# Altium PCB EEGV4.0.PcbDoc (part 1 of 2) (continued)
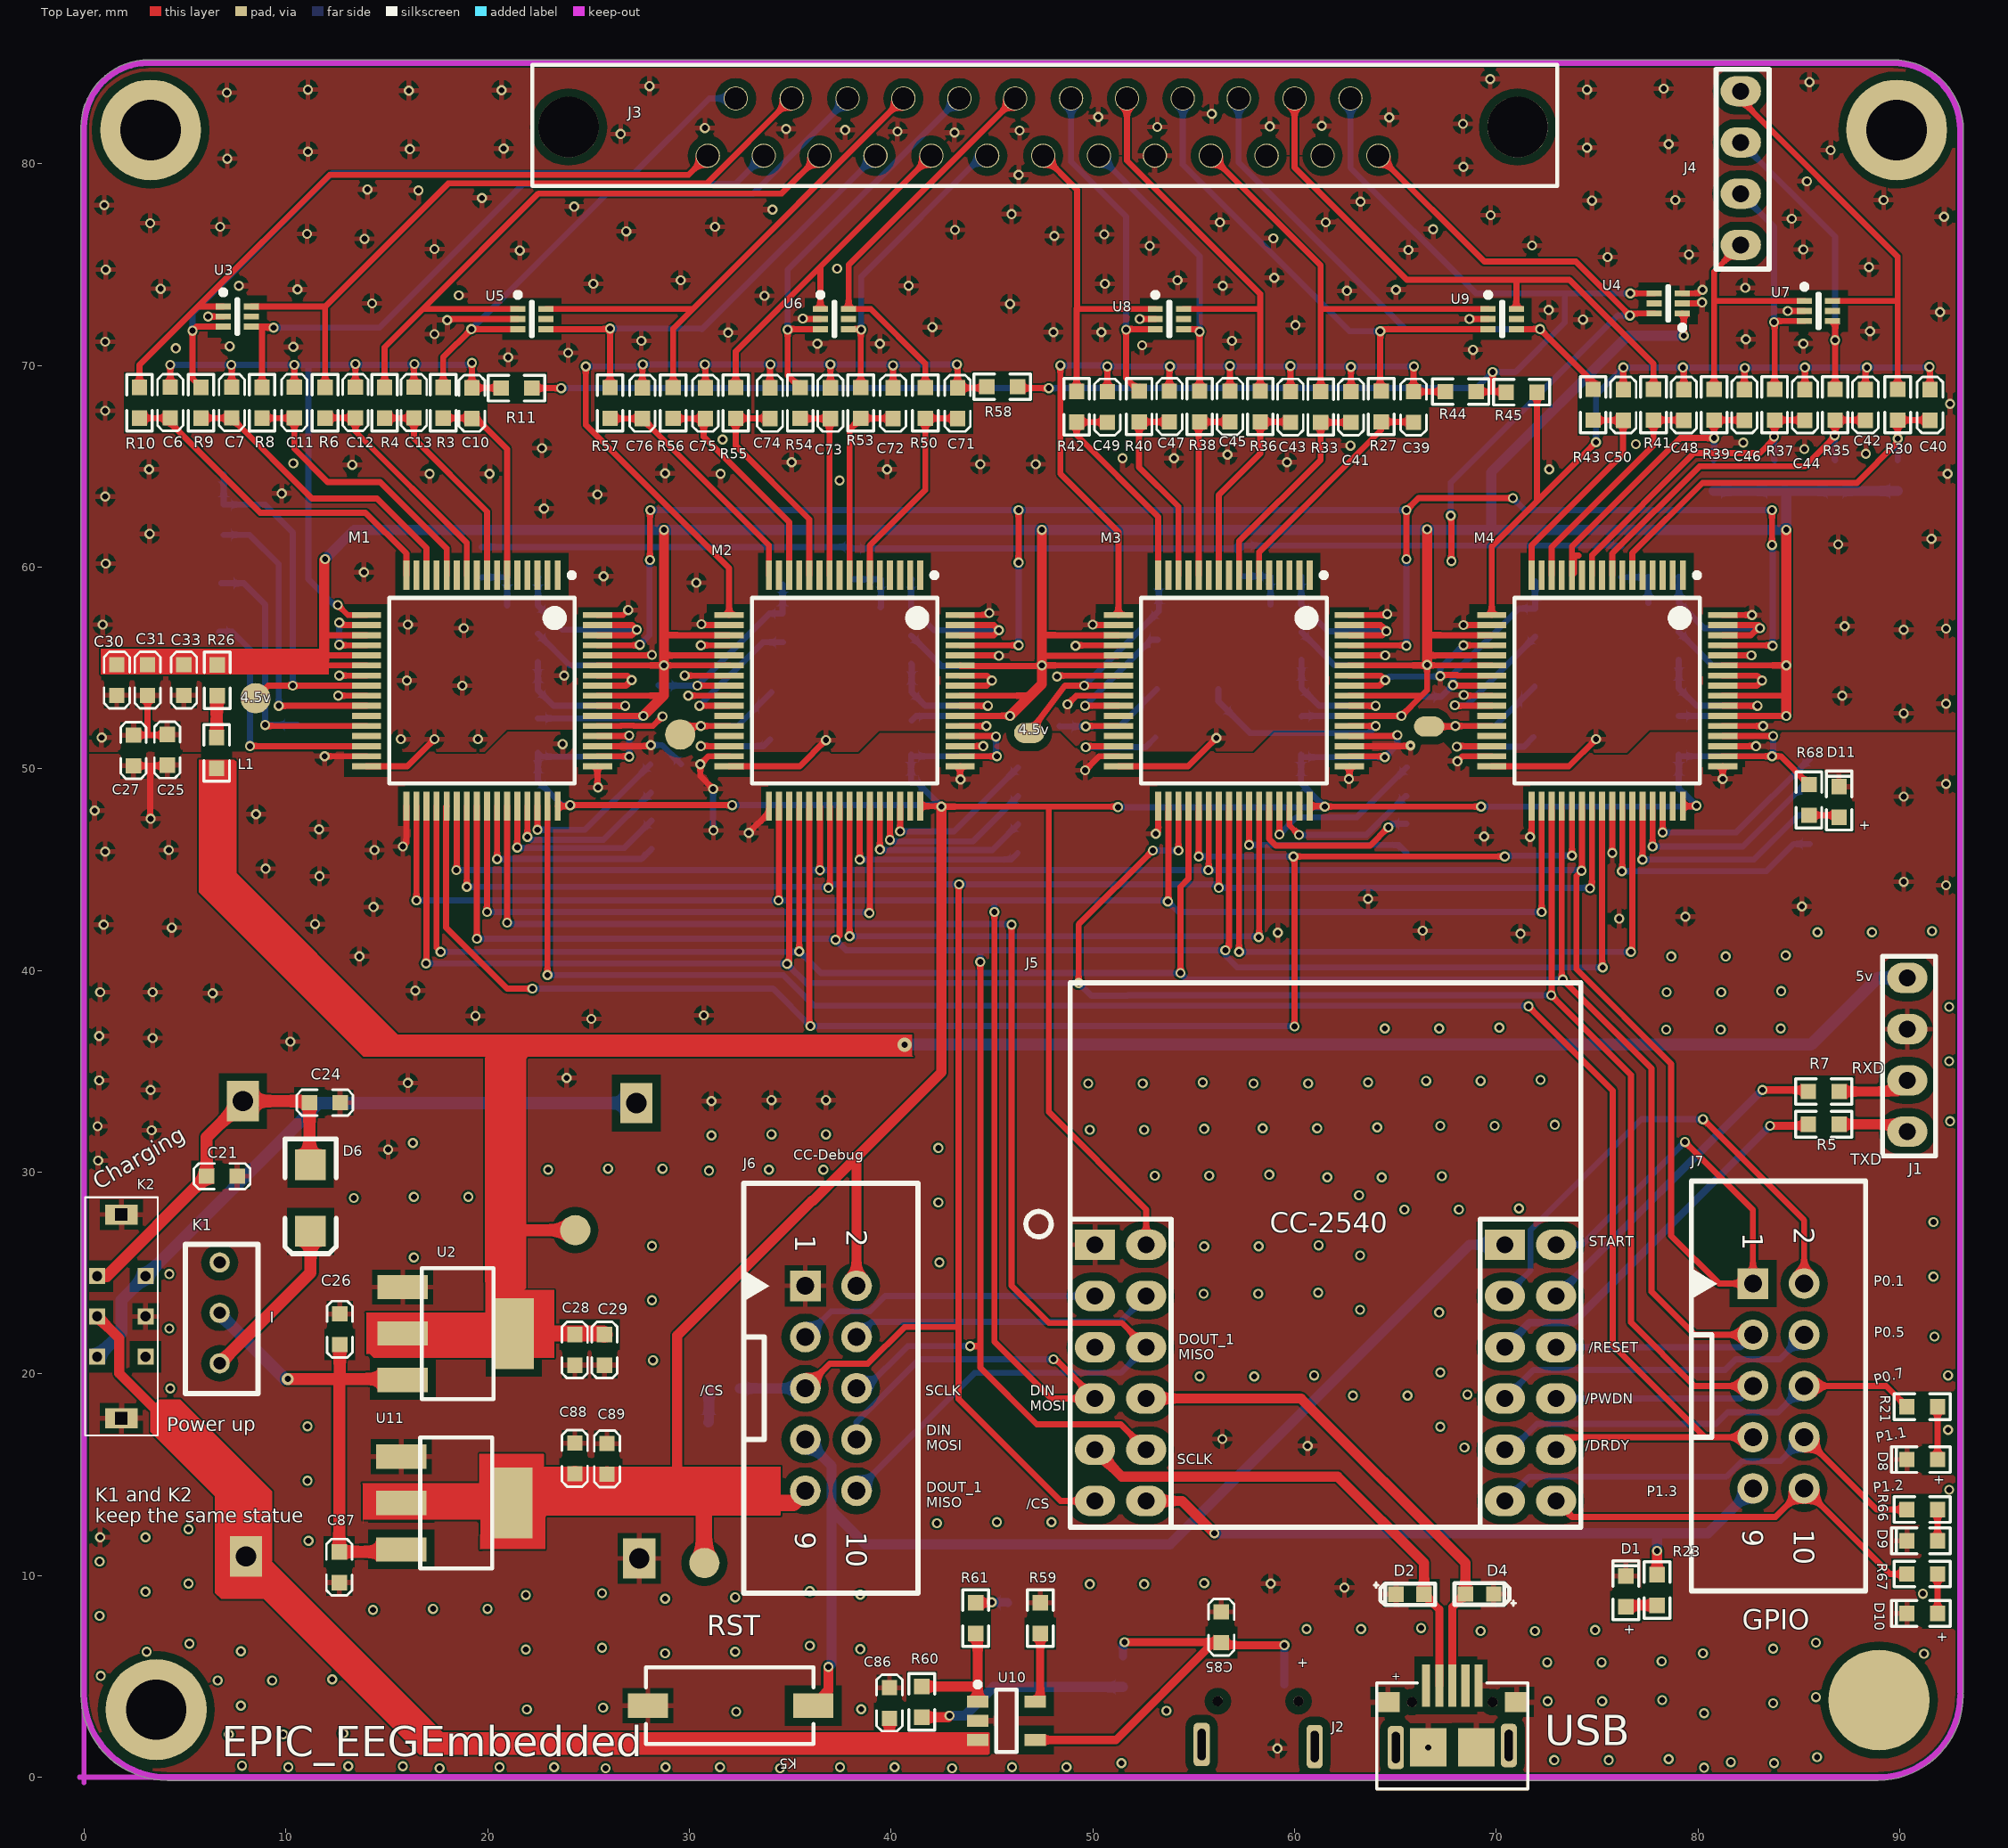
[diagram p0: Top Layer view]
## Components (designator, comment, footprint, x,y, rotation, side; value= is the part's Value field where it differs from the comment) (continued)
R17 "10KF" R0603 28.1,48.825 r0 bottom
R18 "10KF" R0603 28.125,47.425 r0 bottom
R19 "10KF" R0603 28.125,46.025 r0 bottom
R20 "10KF" R0603 65.551,48.65 r0 bottom
R21 "3KF" R0603 90.351,18.375 r0 top
R22 "3KF" R0603 32.5,19.275 r180 bottom
R23 "3KF" R0603 77.975,10.049 r270 top
R24 "10KF" R0603 85.551,50.5 r0 bottom
R25 "10KF" R0603 65.576,50.075 r0 bottom
R26 "1RJ" R0603 6.604,55.15 r270 top
R27 "2.2KF" R0603 64.3,68.724 r270 top
R28 "10KF" R0603 85.551,49.1 r0 bottom
R29 "10KF" R0603 65.55,47.275 r0 bottom
R30 "2.2KF" R0603 89.9,68.813 r270 top
R31 "10KF" R0603 85.551,47.7 r0 bottom
R32 "10KF" R0603 65.55,45.85 r0 bottom
R33 "2.2KF" R0603 61.3,68.7 r270 top
R34 "10KF" R0603 85.551,46.275 r0 bottom
R35 "2.2KF" R0603 86.8,68.813 r270 top
R36 "2.2KF" R0603 58.3,68.724 r270 top
R37 "2.2KF" R0603 83.8,68.813 r270 top
R38 "2.2KF" R0603 55.3,68.724 r270 top
R39 "2.2KF" R0603 80.8,68.813 r270 top
R40 "2.2KF" R0603 52.3,68.724 r270 top
R41 "2.2KF" R0603 77.8,68.813 r270 top
R42 "2.2KF" R0603 49.2,68.713 r270 top
R43 "2.2KF" R0603 74.8,68.813 r270 top
R44 "2.2KF" R0603 69,68.7 r180 top
R45 "2.2KF" R0603 70.5,68.675 r0 top
R46 "1MF" R0603 39.5,59.4 r0 bottom
R47 "2.2KF" R0603 38.1,60.924 r270 bottom
R48 "10KF" R0603 46.3,50.075 r0 bottom
R49 "10KF" R0603 46.3,48.65 r0 bottom
R50 "2.2KF" R0603 41.7,68.9 r270 top
R51 "10KF" R0603 46.3,47.25 r0 bottom
R52 "10KF" R0603 46.275,45.825 r0 bottom
R53 "2.2KF" R0603 38.5,68.9 r270 top
R54 "2.2KF" R0603 35.5,68.9 r270 top
R55 "2.2KF" R0603 32.3,68.9 r270 top
R56 "2.2KF" R0603 29.2,68.9 r270 top
R57 "2.2KF" R0603 26.075,68.9 r270 top
R58 "2.2KF" R0603 46.275,68.95 r180 top
R59 "R0603-15KF" R0603 47.4,8.649 r270 top
R60 "470RF" R0603 41.525,2.975 r90 top
R61 "470RF" R0603 44.2,8.649 r270 top
R62 "0R" R0603 80.775,65.3 r270 bottom
R63 "0R" R0603 83.8,65.3 r270 bottom
R64 "0R" R0603 86.8,65.3 r270 bottom
R65 "0R" R0603 89.9,65.3 r270 bottom
R66 "3KF" R0603 90.351,13.275 r0 top
R67 "3KF" R0603 90.351,10.075 r0 top
R68 "3KF" R0603 85.5,49.224 r270 top
U2 "AMS1117_5V" SOT-223 15.8,22 r270 top
U3 "TPD4E1B06" U-ESD-DRL-SOTFL50P160X60-6N 7.6,72.425 r0 top
U4 "TPD4E1B06" U-ESD-DRL-SOTFL50P160X60-6N 78.525,73.075 r180 top
U5 "TPD4E1B06" U-ESD-DRL-SOTFL50P160X60-6N 22.2,72.3 r0 top
U6 "TPD4E1B06" U-ESD-DRL-SOTFL50P160X60-6N 37.2,72.3 r0 top
U7 "TPD4E1B06" U-ESD-DRL-SOTFL50P160X60-6N 85.975,72.7 r0 top
U8 "TPD4E1B06" U-ESD-DRL-SOTFL50P160X60-6N 53.8,72.3 r0 top
U9 "TPD4E1B06" U-ESD-DRL-SOTFL50P160X60-6N 70.3,72.3 r0 top
U10 "MCP73831" SOT23-5N 45.725,2.8 r0 top
U11 "AMS1117_3.3V" SOT-223 15.725,13.6 r270 top

## Footprints (in the part's own frame and the unit in brackets; to place one, negate y for a bottom-side part, rotate by r counter-clockwise, add the part's x,y. Pads: shape width x height; smd on the part's side, far side on the other; paste and mask are expansions set on the pad)
ADS1299-TSQFP50P1200X1200X105-64N [mm] "TSQFP, 64-Leads, Body 10.00x10.00mm, Pitch 0.50mm, IPC Medium Density"
  rect 1.45x0.3 smd: 1(-5.725,3.75) 2(-5.725,3.25) 3(-5.725,2.75) 4(-5.725,2.25) 5(-5.725,1.75) 6(-5.725,1.25) 7(-5.725,0.75) 8(-5.725,0.25) 9(-5.725,-0.25) 10(-5.725,-0.75) 11(-5.725,-1.25) 12(-5.725,-1.75) 13(-5.725,-2.25) 14(-5.725,-2.75) 15(-5.725,-3.25) 16(-5.725,-3.75) 33(5.725,-3.75) 34(5.725,-3.25) 35(5.725,-2.75) 36(5.725,-2.25) 37(5.725,-1.75) 38(5.725,-1.25) 39(5.725,-0.75) 40(5.725,-0.25) 41(5.725,0.25) 42(5.725,0.75) 43(5.725,1.25) 44(5.725,1.75) 45(5.725,2.25) 46(5.725,2.75) 47(5.725,3.25) 48(5.725,3.75)
  rect 0.3x1.45 smd: 17(-3.75,-5.725) 18(-3.25,-5.725) 19(-2.75,-5.725) 20(-2.25,-5.725) 21(-1.75,-5.725) 22(-1.25,-5.725) 23(-0.75,-5.725) 24(-0.25,-5.725) 25(0.25,-5.725) 26(0.75,-5.725) 27(1.25,-5.725) 28(1.75,-5.725) 29(2.25,-5.725) 30(2.75,-5.725) 31(3.25,-5.725) 32(3.75,-5.725) 49(3.75,5.725) 50(3.25,5.725) 51(2.75,5.725) 52(2.25,5.725) 53(1.75,5.725) 54(1.25,5.725) 55(0.75,5.725) 56(0.25,5.725) 57(-0.25,5.725) 58(-0.75,5.725) 59(-1.25,5.725) 60(-1.75,5.725) 61(-2.25,5.725) 62(-2.75,5.725) 63(-3.25,5.725) 64(-3.75,5.725)
  silkscreen extent -5.85,-4.6 4.6,4.6, body extent -5,-5 5,5, height 1.05
C0603 [mil]
  rect 30x30 smd: 1(0,0) 2(60,0)
  silkscreen extent -25,-25 85,25, body extent -1,-15 61,16, height 12
C1210 [mil]
  rect 50x100 smd: 1(0,0) 2(120,0)
  silkscreen extent -35,-60 155,60, body extent -3,-48 123,50, height 98
C-DSUB-25 [mm] "C-DSUB-25"
  round 3 hole 3: 0(0,0) 0(47.04,0)
  round 1.2 hole 1.1: 1(6.9,-1.42) 2(9.67,-1.42) 3(12.44,-1.42) 4(15.21,-1.42) 5(17.98,-1.42) 6(20.75,-1.42) 7(23.52,-1.42) 8(26.29,-1.42) 9(29.06,-1.42) 10(31.83,-1.42) 11(34.6,-1.42) 12(37.37,-1.42) 13(40.14,-1.42) 14(8.285,1.42) 15(11.055,1.42) 16(13.825,1.42) 17(16.595,1.42) 18(19.365,1.42) 19(22.135,1.42) 20(24.905,1.42) 21(27.675,1.42) 22(30.445,1.42) 23(33.215,1.42) 24(35.985,1.42) 25(38.755,1.42)
  silkscreen extent -1.8,-2.92 49,3.08
D2.54-1*4P [mm] "Bluetooth"
  oval 1.5x2 hole 0.838: 1(0,0) 2(2.54,0) 3(5.08,0) 4(7.62,0)
  silkscreen extent -1.2,-1.4 8.7,1.23, body extent -1.1,-1.4 8.7,1.23, height 10
D1206 [mil]
  rect 60x60 smd: 1(0,0) 2(130,0)
  silkscreen extent -50,-50 174,50, body extent -22,-40 151,40, height 47
D-LED0603G [mil]
  rect 30x30 smd: 1(0,0) 2(60,0)
  silkscreen extent -25,-25 90,25, body extent -2,-16 62,15, height 24
DC3-2.54-2X5P [mil] "DC3-2.54-2x5P直脚"
  rect 60x60 hole 35: 1(0,0)
  round 60 hole 35: 2(0,100) 3(100,0) 4(100,100) 5(200,0) 6(200,100) 7(300,0) 8(300,100) 9(400,0) 10(400,100)
  silkscreen extent -200,-120 600,220
HS_0603D [mil]
  rect 30x30 smd: 1(-27.5,0) 2(27.5,0)
  silkscreen extent -70,-21 49,23
L0603 [mil]
  rect 30x30 smd: 1(0,0) 2(60,0)
  silkscreen extent -25,-25 85,25, body extent -1,-15 61,17, height 24
LIR2032 [mm] "LIR2032 -- 2 Pin"
  rect 2x1.6 hole 1: 1(0,0) 2(-0.1,19.5)
  silkscreen extent -11,-1.3 11,22.1
"MICRO-USB - 5.9" [mm]
  rrect50% 0.8x2.15 hole 0.4 slot 1.55 at 90 deg: 0(-1.5,-3.075) 0(4.1,-2.975)
  rect 0.4x2.1 smd: 1(0,0) 2(0.65,0) 3(1.3,0) 4(1.95,0) 5(2.6,0)
  rect 1.2x1 smd: 6(-1.9,-0.825) 7(4.5,-0.825)
  rect 1.8x1.9 smd: 8(0.106,-3.075) 9(2.493,-3.075)
  round 0.5 hole 0.5 unplated: ""(-0.7,-0.825) ""(3.3,-0.825)
  silkscreen extent -2.45,-5.13 5.05,0.12
PCBComponent_1 [mm]
  rect 2x1.5 hole 0.838: 1(1.23,14) 13(21.55,14)
  oval 2x1.5 hole 0.838: 2(3.77,14) 3(1.23,11.46) 4(3.77,11.46) 5(1.23,8.92) 6(3.77,8.92) 7(1.23,6.38) 8(3.77,6.38) 9(1.23,3.84) 10(3.77,3.84) 11(1.23,1.3) 12(3.77,1.3) 14(24.09,14) 15(21.55,11.46) 16(24.09,11.46) 17(21.55,8.92) 18(24.09,8.92) 19(21.55,6.38) 20(24.09,6.38) 21(21.55,3.84) 22(24.09,3.84) 23(21.55,1.3) 24(24.09,1.3)
  silkscreen extent -2.19,0 25.32,26.99, body extent 0,0 25.4,15.27, height 10
R0603 [mil]
  rect 30x30 smd: 1(0,0) 2(60,0)
  silkscreen extent -25,-25 85,25, body extent 0,-16 62,15, height 18
S-K3*6 [mm]
  rect 1.2x2 smd: 1(0,0) 2(0,-8.2)
  silkscreen extent -1.9,-8.3 1.9,0
SK-22D02 [mm] "2档6脚"
  rect 0.8x0.8 hole 0.5: 1(-2,0) 2(0,0) 3(2,0) 4(2,2.4) 5(0,2.4) 6(-2,2.4)
  rect 1x1.6 hole 0.6 square: 7(-5.05,1.2) 8(5.05,1.2)
  silkscreen extent -5.9,-0.6 5.9,3
SOT23-5N [mm] "SOT23, 5-Leads, Body 2.90x2.70mm, Pitch 0.95mm, IPC Medium Density"
  rect 1.05x0.6 smd: 1(-1.425,0.95) 2(-1.425,0) 3(-1.425,-0.95) 4(1.425,-0.95) 5(1.425,0.95)
  silkscreen extent -1.55,-1.55 0.5,1.92, body extent -0.9,-1.55 0.9,1.55, height 1.45
SOT-223 [mm]
  rect 1.2x2.5 smd: 1(-2.3,0) 2(0,0) 3(2.3,0)
  rect 3.5x2 smd: 2(0,5.5)
  silkscreen extent -3.25,0.94 3.25,4.5
SS-12D00 [mm] "SS-12D00(1P2T) 立式 柄高5MM"
  round 1 hole 0.6: 1(0,0) 2(2.5,0) 3(5,0)
  silkscreen extent -0.9,-1.7 6.5,1.9
U-ESD-DRL-SOTFL50P160X60-6N [mm] "SOTFL, 6-Leads, Body 1.60x1.60mm, Pitch 0.50mm, IPC Medium Density"
  rect 0.75x0.3 smd: 1(-0.7,0.5) 2(-0.7,0) 3(-0.7,-0.5) 4(0.7,-0.5) 5(0.7,0) 6(0.7,0.5)
  silkscreen extent -0.82,-0.85 0.05,1.32, body extent -0.65,-0.85 0.65,0.85, height 0.6

## Part data
BT1 BT2: library part Li-batttery, "纽扣电池LIR2023"
C1 C3 C14 C16 C17 C23 C25 C27 C30 C32 C34 C37 C38 C51 C53 C54 C56 C58 C59 C61 C62 C68 C70 C77 C79 C80 C82: library part C0603X7R-105K16V, "贴片电容-陶瓷"
C2 C18 C21 C22 C26 C29 C31 C35 C36 C55 C60 C65 C66 C69 C81 C84 C87 C89: library part C0603X7R-104K50V, "贴片电容-陶瓷"
C6 C7 C8 C9 C10 C11 C12 C13 C20 C39 C40 C41 C42 C43 C44 C45 C46 C47 C48 C49 C50 C67 C71 C72 C73 C74 C75 C76: library part C0603X7R-102K10V, "贴片电容-陶瓷"
C15 C52 C57 C78: library part "C1210钽电容 --100UF--B3528", "C1210-100UF"
C19 C24 C28 C33 C63 C64 C83 C86 C88: library part C0603X7R-106K50V, "贴片电容-陶瓷"
C85: library part C0603X7R-475K16V, "贴片电容-陶瓷"
D1 D3 D5 D7 D8 D9 D10 D11: library part DLED-0603-G, "贴片二极管-LED"
D2 D4: library part "D Zener", "Zener Diode"
D6: library part 1206MSD, "500mA/13.2V 自恢复保险丝"
J1: library part J-D2.54-1*4单排排母
J2 J8: library part J-USB-MINI-SOCKET, "USB-A卧式插座"
J3: "C-DSUB-0064"
J4: library part J-D2.54-1*4-单排, "单排排针"
J5: "蓝牙主控模块的接口"
J6 J7: library part J-DC3-2.54-2X5P, "简牛插座-直针"
K1: library part "SS-12D00(1P2T) 立式 柄高5MM"
K2: "波动开关-2档6脚"
K5: "贴片-卧式轻触开关"
L1: "贴片电感-屏蔽"
M1 M2 M3 M4: "ADS1299-S-PQFP-64"
R1 R2 R15 R46: library part R0603-1MF, "贴片电阻-通用"
R3 R4 R6 R8 R9 R10 R11 R12 R13 R14 R27 R30 R33 R35 R36 R37 R38 R39 R40 R41 R42 R43 R44 R45 R47 R50 R53 R54 R55 R56 R57 R58: library part R0603-2.2KF, "贴片电阻-通用"
R5 R7: library part R0603-22RF, "贴片电阻-通用"
R16 R17 R18 R19 R20 R24 R25 R28 R29 R31 R32 R34 R48 R49 R51 R52: library part R0603-10KF, "贴片电阻-通用"
R21 R22 R23 R66 R67 R68: library part R0603-3KF, "贴片电阻-通用"
R26: library part R0603-1RJ, "贴片电阻-通用"
R59: "贴片电容-通用"
R60 R61: library part R0603-470RF, "贴片电阻-通用"
R62 R63 R64 R65: library part R0603-0R, "贴片电阻-通用"
U2: library part AMS1117-5V
U3 U4 U5 U6 U7 U8 U9: library part U-TPD4E1B06, "ESD-防静电干扰"
U10: "charge IC"
U11: library part AMS1117-3.3V

## Free pads (board coordinates)
  round 5 hole 3: 0(3.3,81.675) 0(3.575,3.35) 0(89.85,81.675)
  round 5 smd: 0(88.975,3.825)
  round 1.5 smd: 2(30.75,10.625) 3(24.35,27.125) "4.5 V"(8.5,53.5) >1.1V(29.55,51.7)
  oval 1.5x1 smd: "4.5 V"(46.85,51.775) >1.1V(66.675,52.1)
  oval 1.5x1 smd far side: 4.5V(28.475,54.15) >1.1V(10.575,52.175) >1.1V(48.35,52.125)
  oval 1x1.5 smd far side: 4.5V(66.425,53.575)

## Via types
v1: diameter 0.5, hole 0.3, Top Layer to Bottom Layer, tented both sides, 657 vias
v2: diameter 0.6, hole 0.3, Top Layer to Bottom Layer, tented both sides, 1 vias
v3: diameter 0.7, hole 0.3, Top Layer to Bottom Layer, tented both sides, 1 vias
v4: diameter 0.5, hole 0.203, Top Layer to Bottom Layer, tented both sides, 1 vias

## Nets (pads, with @x,y where several pads share a name; then routed paths per layer and width w, separated by ;. In a path a pad name is that pad's centre, name@x,y a point inside that pad or via, vN(x,y) a via of type N, cw(c..) or ccw(c..) an arc to the next point about the centre after c; other vN are vias at no path point)
+3.3V: C2.1 C3.1 C35.1 C36.1 C37.1 C38.1 C69.1 C70.1 C88.2 C89.1 J5.2 J6.2 J6.9 M1.48 M1.50 M1.52 M2.48 M2.50 M2.52 M3.48 M3.50 M3.52 M4.48 M4.50 M4.52 pad.2 R68.1 U11.2 | length 208.5
  Top Layer w0.3: M1.48@23.475,48.15 24.05,48.15 v1(24.1,48.2) v1(32.125,48.2) ; M1.50@25.45,50.625 27,50.625 v1(27.025,50.6) ; M1.52@25.45,51.625 27,51.625 v1(27.025,51.65) ; M2.48@41.45,48.15 42.475,48.15 v1(42.5,48.125) 47.825,48.125 ; M2.50@43.425,50.625 v1(45.25,50.625) ; M2.52@43.425,51.625 45.175,51.625 v1(45.2,51.6) ; v1(51.25,48.1) 51.225,48.125 47.825,48.125 ; J5.2@52.65,26.4 52.65,28.15 47.825,32.975 47.825,48.125 ; M3.48@60.75,48.15 61.475,48.15 v1(61.5,48.125) v1(69.25,48.125) ; M3.50@62.725,50.625 64.43,50.625 v1(64.478,50.577) ; M3.52@62.725,51.625 65.05,51.625 v1(65.1,51.675) ; M4.48@79.25,48.15 v1@79.9,48.15 ; M4.50@81.225,50.625 v1(83.675,50.625) 84.099,50.625 R68.1@85.5,49.224 ; M4.52@81.225,51.625 v1(83.725,51.625)
  Top Layer w0.5: 29.4,13.6 29.4,21.9 36.075,28.575 36.125,28.575 38.238,30.688 ; J6.2@38.29,24.365 38.29,30.635 38.238,30.688 ; v1(42.5,48.125) 42.5,34.95 38.238,30.688
  Top Layer w0.8: U11.2@15.725,13.6 U11.2@21.225,13.6 24.425,13.6 ; C88.2@24.325,15.05 24.325,13.7 24.425,13.6 ; C89.1@25.925,15.025 25.925,13.725 26.05,13.6 ; pad.2@30.75,10.625 30.725,10.65 30.725,13.6 ; J6.9@35.75,14.205 35.145,13.6 30.725,13.6 ; 24.425,13.6 26.05,13.6 ; 26.05,13.6 29.4,13.6 30.725,13.6
  Bottom Layer w0.3: v1(24.1,48.2) 23.7,48.2 C2.1@22.5,49.4 C3.1@22.5,50.8 22.7,50.6 v1(27.025,50.6) v1(27.025,51.65) ; v1(32.125,48.2) v1@42.425,48.2 ; v1(42.5,48.125) v1@42.425,48.2 ; v1(45.2,51.6) 45.2,50.65 v1@45.225,50.625 ; v1(45.25,50.625) v1@45.225,50.625 ; v1(51.25,48.1) 61.475,48.1 v1(61.5,48.125) 61.475,48.125 C35.1@60.325,49.275 C37.1@60.325,50.7 60.448,50.577 v1(64.478,50.577) 65.1,51.199 v1(65.1,51.675) ; v1(69.25,48.125) 79.875,48.125 v1(79.925,48.175) 79.049,49.051 C36.1@79.049,49.3 C38.1@79.049,50.7 79.124,50.625 v1(83.675,50.625) 83.725,50.675 v1(83.725,51.625) ; v1@42.425,48.2 41.325,49.3 C70.1@41,49.3 C69.1@41,50.7 41.1,50.6 41.125,50.625 v1@45.225,50.625
+5V: C28.2 C29.1 J1.4 L1.1 pad.3 U2.2 | length 121.5
  Top Layer w0.6: L1.1@6.575,50.026 6.575,44.375 14.625,36.325 v3(40.675,36.325) ; 21.3,27.3 21.475,27.125 pad.3@24.35,27.125
  Top Layer w0.8: U2.2@15.8,22 U2.2@21.3,22 ; 21.3,36.25 21.3,27.3 U2.2@21.3,22 ; C29.1@25.8,21.949 25.749,22 U2.2@21.3,22
  Bottom Layer w0.6: v3(40.675,36.325) 85.6,36.325 88.905,39.63 J1.4@90.375,39.63
/CS: J5.11 J6.5 M1.39 M2.39 M3.39 M4.39 R22.1 | length 118.6
  Top Layer w0.3: v1(18.975,44.15) M1.39@18.975,48.15 ; J6.5@35.75,19.285 36.965,20.5 38.85,20.5 40.675,22.325 43.35,22.325 ; v1(36.9,44.1) 36.975,44.175 36.975,48.125 M2.39@36.95,48.15 ; v1(43.375,44.275) 43.35,44.25 43.35,22.325 ; J5.11@50.11,13.7 48.4,13.7 43.35,18.75 43.35,22.325 ; v1(56.25,44.1) M3.39@56.25,48.15 ; v1(74.65,44.075) 74.75,44.175 M4.39@74.75,48.15
  Bottom Layer w0.3: v1(18.975,44.15) 36.85,44.15 v1(36.9,44.1) 37.075,44.275 v1(43.375,44.275) 56.075,44.275 v1(56.25,44.1) 74.575,44.1 74.625,44.05 v1(74.65,44.075)
  Bottom Layer w0.5: R22.1@32.5,19.275 32.51,19.285 J6.5@35.75,19.285
/DRDY: J5.22 J7.7 M1.47 | length 92.6
  Top Layer w0.3: v1(22.975,39.775) M1.47@22.975,48.15 ; v1(71.6,38.225) 75.775,34.05 75.775,21.425 80.34,16.86 ; J5.22@72.97,16.24 73.59,16.86 80.34,16.86 ; J7.7@82.725,16.86 80.34,16.86
  Bottom Layer w0.3: v1(22.975,39.775) 34.675,39.775 36.2,38.25 71.575,38.25 v1(71.6,38.225)
/PWDN: J5.20 J7.5 M1.35 M2.35 M3.35 M4.35 | length 128.4
  Top Layer w0.3: v1(16.95,40.35) 16.975,40.375 M1.35@16.975,48.15 ; v1(34.85,40.325) 34.95,40.425 M2.35@34.95,48.15 ; v1(49.3,39.375) 49.3,42.275 v1(52.975,45.95) ; v1(54.25,45.95) M3.35@54.25,48.15 ; M4.35@72.75,48.15 72.75,38.8 v1(72.725,38.775) 76.675,34.825 76.675,22.55 79.825,19.4 J7.5@82.725,19.4
  Bottom Layer w0.3: v1(16.95,40.35) 34.825,40.35 v1(34.85,40.325) 35.85,39.325 35.9,39.375 v1(49.3,39.375) 49.925,38.75 51.732,38.75 51.757,38.775 v1(72.725,38.775) ; v1(52.975,45.95) v1(54.25,45.95) ; J5.20@72.97,18.78 82.105,18.78 J7.5@82.725,19.4
/RESET: J5.18 J7.3 M1.36 M2.36 M3.36 M4.36 | length 121
  Top Layer w0.3: M1.36@17.475,48.15 17.475,41.125 v1(17.675,40.925) ; v1(35.45,40.95) M2.36@35.45,48.15 ; v1(54.35,39.875) 54.35,44.15 54.75,44.55 M3.36@54.75,48.15 ; M4.36@73.25,48.15 73.25,39.6 v1(73.3,39.55) 77.7,35.15 77.7,24.075 79.835,21.94 J7.3@82.725,21.94
  Bottom Layer w0.3: v1(17.675,40.925) 35.425,40.925 v1(35.45,40.95) 36.525,39.875 v1(54.35,39.875) 54.675,39.55 v1(73.3,39.55) ; J5.18@72.97,21.32 82.105,21.32 J7.3@82.725,21.94
A2: J3.24 R41.1 U9.6 | length 28
  Top Layer w0.3: J3.24@60.005,83.24 60.005,79.82 65.575,74.25 71.075,74.25 ; U9.6@71,72.8 71,74.175 71.075,74.25 ; R41.1@77.8,68.813 77.8,70.075 73.625,74.25 71.075,74.25
AGND: C1.1 C14.2 C15.2 C16.2 C17.2 C18.1 C19.2 C22.2 C23.2 C25.2 C27.2 C30.2 C31.2 C32.1 C33.1 C34.1 C51.2 C52.2 C53.2 C54.2 C55.1 C56.2 C57.2 C58.2 C59.2 C60.1 C61.2 C62.2 C63.2 C64.2 C65.2 C66.2 C68.1 C77.2 C78.2 C79.2 C80.2 C81.1 C82.2 C83.2 C84.2 J3.9 M1.18 M1.20 M1.23 M1.25 M1.32 M1.53 M1.57 M1.58 M1.60 M1.64 M2.18 M2.20 M2.23 M2.25 M2.32 M2.53 M2.57 M2.58 M2.60 M2.64 M3.18 M3.20 M3.23 M3.25 M3.32 M3.53 M3.57 M3.58 M3.60 M3.64 M4.18 M4.20 M4.23 M4.25 M4.32 M4.53 M4.57 M4.58 M4.60 M4.64 U3.2 U4.2 U4.3 U5.2 U6.2 U7.2 U8.2 U9.2 | length 114.7
  Top Layer w0.3: C27.2@2.45,51.674 3.225,51.674 ; C31.2@3.15,53.639 3.15,51.749 3.225,51.674 ; C25.2@4.125,51.7 4.099,51.674 3.225,51.674 ; v1(6.15,72.425) U3.2@6.9,72.425 ; v1(12.6,53.625) M1.25@14,53.625 ; v1(12.65,54.625) M1.23@14,54.625 ; v1(12.65,56.15) 12.675,56.125 M1.20@14,56.125 ; v1(12.65,57.25) 12.775,57.125 M1.18@14,57.125 ; M1.32@14,50.125 16.025,50.125 v1(17.375,51.475) ; v1(18,72.25) 18.05,72.3 U5.2@21.5,72.3 ; M1.53@25.45,52.125 26.6,52.125 26.625,52.15 27.232,52.15 27.257,52.125 28.2,52.125 v1(28.675,52.6) ; M1.57@25.45,54.125 26.875,54.125 v1(27.15,54.4) 26.925,54.625 M1.58@25.45,54.625 ; M1.60@25.45,55.625 28.123,55.625 v1(28.15,55.652) ; M1.64@25.45,57.625 26.725,57.625 v1(26.975,57.875) ; v1(29.776,54.628) 29.779,54.625 M2.23@31.975,54.625 ; v1(29.95,53.625) M2.25@31.975,53.625 ; v1(30.575,56.125) M2.20@31.975,56.125 ; v1(30.6,57.175) 30.65,57.125 M2.18@31.975,57.125 ; M2.32@31.975,50.125 35.475,50.125 v1(36.775,51.425) ; v1(35.625,72.325) 35.65,72.3 U6.2@36.5,72.3 ; M2.53@43.425,52.125 v1(44.726,52.125) ; M2.57@43.425,54.125 44.75,54.125 v1(45,54.375) 44.75,54.625 M2.58@43.425,54.625 ; M2.60@43.425,55.625 45.325,55.625 v1(45.35,55.6) ; M2.64@43.425,57.625 44.775,57.625 v1(44.875,57.725) ; v1(48.227,54.578) 48.275,54.625 M3.23@51.275,54.625 ; v1(48.75,53.2) 49.175,53.625 M3.25@51.275,53.625 ; v1(49.15,56.1) 49.175,56.125 M3.20@51.275,56.125 ; v1(50,57.15) 50.025,57.125 M3.18@51.275,57.125 ; M3.32@51.275,50.125 54.725,50.125 v1(56.125,51.525) ; v1(52.325,72.3) U8.2@53.1,72.3 ; M3.53@62.725,52.125 v1(64.025,52.125) ; M3.57@62.725,54.125 64.225,54.125 v1(64.5,54.4) 64.275,54.625 M3.58@62.725,54.625 ; M3.60@62.725,55.625 v1(64.5,55.625) ; M3.64@62.725,57.625 64.55,57.625 v1(64.6,57.675) ; v1(67.227,54.6) 67.28,54.652 68.059,54.652 68.087,54.625 M4.23@69.775,54.625 ; v1(68.375,56.125) M4.20@69.775,56.125 ; v1(68.375,57.125) M4.18@69.775,57.125 ; v1(68.393,53.657) 68.388,53.652 68.415,53.625 M4.25@69.775,53.625 ; v1(68.675,72.3) U9.2@69.6,72.3 ; M4.32@69.775,50.125 73.6,50.125 v1(74.95,51.475) ; U4.2@79.225,73.075 80.15,73.075 v1(80.2,73.125) ; U4.3@79.225,73.575 80.05,73.575 v1(80.225,73.75) ; M4.53@81.225,52.125 v1(83.23,52.125) ; M4.57@81.225,54.125 82.925,54.125 v1(83.175,54.375) 82.925,54.625 M4.58@81.225,54.625 ; M4.60@81.225,55.625 v1(82.65,55.625) ; M4.64@81.225,57.625 v1(82.675,57.625) ; v1(84.45,72.7) U7.2@85.275,72.7
  Bottom Layer w0.3: v1(12.65,56.15) v1(12.65,57.25) ; C52.2@56.223,53.95 56.223,53.352 57.8,51.775 63.675,51.775 v1(64.025,52.125) ; v1(64.5,54.4) 64.675,54.575 67.202,54.575 v1(67.227,54.6) 67.227,54.977 v1(68.375,56.125)
  other v1: 15.7,51.475 19.525,51.475 0.875,51.55 90.2,52.75 92.3,53.225 87.15,53.625 18.75,54.125 16,54.375 23.8,54.625 90.2,56.9 92.3,56.95 18.825,56.975 87.275,57.075 16.05,57.15 0.927,57.152 30.35,59.225 25.75,59.55 13.875,59.75 1.075,60.175 86.95,61.125 91.575,61.4 3.25,61.65 22.8,62.9 1.05,63.5 25.45,63.6 9.8,63.65 37.45,64.3 17.125,64.625 20.1,64.625 31.55,64.625 92.375,64.625 28.8,64.65 3.225,64.85 39.8,64.85 72.625,64.85 13.3,65.075 44.425,65.1 47.175,65.1 10.375,65.15 35.075,65.2 59.625,65.2 51.475,65.4 54.025,65.4 56.675,65.575 88.325,65.625 85.275,65.85 22.7,65.9 62.775,66.025 76.925,66.1 82.25,66.175 31.65,66.325 1.05,67.75 92.5,68.1 21.025,70.4 24,70.625 68.85,70.775 4.55,70.85 10.375,70.925 7.225,70.95 52.45,71 36.35,71.075 39.45,71.075 85.225,71.075 1.05,71.175 27.625,71.225 56.9,71.225 82.375,71.3 17.375,71.55 31.925,71.625 48.05,71.65 50.425,71.65 88.525,71.7 42.05,71.9 60.05,72 74.3,72.275 92,72.65 72.6,72.75 45.9,73.05 14.275,73.075 33.725,73.45 18.575,73.475 62.6,73.7 65.025,73.75 10.575,73.775 3.8,73.8 82.35,73.85 7.673,73.952 40.875,73.95 56.45,73.95 25.25,74.05 50.6,74.05 29.575,74.225 54.2,74.225 59,74.35 1.075,74.75 37.325,74.8 88.475,74.875 75.525,75.375 79.55,75.5 21.6,75.7 65.65,75.725 85.225,75.75 17.375,75.775 52.825,75.925 71.775,75.95 13.9,76.275 58.95,76.3 48.1,76.425 50.575,76.5 11.05,76.525 26.875,76.65 43.175,76.725 66.875,76.75 6.75,76.875 31.275,76.875 3.275,77.05 56.3,77.1 61.55,77.1 84.65,77.275 92.2,77.375 69.725,77.45 45.975,77.5 34.125,77.725 24.3,77.875 1,77.95 63.275,78.125 74.75,78.175 78.875,78.2 89.2,78.2 19.725,78.3 16.575,78.675 14.05,78.725 85.4,79.125 46.325,79.45 68.375,79.85 7.1,80.25 11.1,80.6 86.575,80.675 16.15,80.725 20.8,80.75 74.5,80.8 78.55,80.975 26.6,81.475 43.15,81.55 40.325,81.6 46.375,81.65 37.725,81.675 34.8,81.725 30.775,81.775 53.2,81.825 58.775,81.85 61.35,81.875 68.35,81.975 64.7,82.3 50.275,82.325 55.9,82.475 7.075,83.525 16.1,83.625 20.7,83.65 11.1,83.675 74.5,83.675 78.3,83.725 28.025,83.85 85.525,84.05 69.7,84.2
AVCC: C1.2 C23.1 C30.1 C31.1 C32.2 C33.2 C34.2 C61.1 C62.1 C68.2 C82.1 M1.19 M1.21 M1.22 M1.54 M1.56 M1.59 M2.19 M2.21 M2.22 M2.54 M2.56 M2.59 M3.19 M3.21 M3.22 M3.54 M3.56 M3.59 M4.19 M4.21 M4.22 M4.54 M4.56 M4.59 R26.1 R62.2 R63.2 R64.2 R65.2 U4.1 | length 276.6
  Top Layer w0.3: R26.1@6.304,55.15 6.329,55.125 M1.22@14,55.125 ; 11.9,55.65 11.925,55.625 M1.21@14,55.625 ; 11.9,56.625 M1.19@14,56.625 ; M1.54@25.45,52.625 v1(27.725,52.625) v1@27.8,52.7 ; M1.56@25.45,53.625 28.725,53.625 28.75,53.65 ; M1.59@25.45,55.125 v1(28.75,55.125) 28.753,55.128 31.972,55.128 M2.22@31.975,55.125 ; 28.75,55.625 M2.21@31.975,55.625 ; 28.75,56.625 M2.19@31.975,56.625 ; M2.54@43.425,52.625 v1(45.9,52.625) ; M2.56@43.425,53.625 46.9,53.625 ; M2.59@43.425,55.125 43.45,55.1 47.45,55.1 v1(47.475,55.125) M3.22@51.275,55.125 ; 47.475,55.625 47.5,55.6 51.25,55.6 M3.21@51.275,55.625 ; 47.475,56.625 M3.19@51.275,56.625 ; M3.54@62.725,52.625 v1(65.3,52.625) 66.287,53.612 ; M3.56@62.725,53.625 66.275,53.625 66.287,53.612 ; M3.59@62.725,55.125 66.55,55.125 v1@66.575,55.125 ; 66.575,55.625 M4.21@69.775,55.625 ; 66.575,56.625 M4.19@69.775,56.625 ; M4.22@69.775,55.125 v1@66.575,55.125 ; U4.1@79.225,72.575 79.3,72.5 v1(79.3,71.475) ; M4.54@81.225,52.625 v1(84.375,52.625) ; M4.56@81.225,53.625 84.25,53.625 ; M4.59@81.225,55.125 v1(84.375,55.125) ; 66.287,53.612 66.575,53.9 v1@66.575,55.125
  Top Layer w0.5: 11.9,55.4 11.9,55.65 11.9,56.625 11.9,60.35 v1(11.95,60.4) ; v1@27.8,52.7 28.725,53.625 ; 28.75,53.65 v1(28.75,55.125) 28.75,55.625 28.75,56.625 v1(28.75,61.85) ; v1(45.9,52.625) 46.9,53.625 47.475,54.2 v1(47.475,55.125) 47.475,55.625 47.475,56.625 v1(47.475,61.85) ; v1@66.55,55.125 v1(66.575,55.15) 66.575,55.625 66.575,56.625 v1(66.575,61.875) ; v1@84.375,52.75 v1(84.375,55.125) v1(84.375,61.85)
  Top Layer w0.6: C30.1@1.625,55.263 C30.1@1.638,55.25 ; C30.1@1.638,55.15 4.95,55.15 R26.1@6.304,55.15
  Bottom Layer w0.3: C1.2@22.5,52.5 27.6,52.5 v1(27.725,52.625) ; C23.1@22.5,56.7 24.075,55.125 v1(28.75,55.125) ; C82.1@41,56.6 42.5,55.1 47.45,55.1 v1(47.475,55.125) ; C68.2@41.024,52.4 41.249,52.625 41.274,52.6 41.299,52.625 v1(45.9,52.625) ; C32.2@60.349,52.6 60.374,52.625 v1(65.3,52.625) ; C61.1@60.349,56.775 61.999,55.125 66.55,55.125 v1(66.575,55.15) ; C34.2@79.049,52.625 v1@84.25,52.625 ; C62.1@79.049,56.8 80.724,55.125 v1@84.25,55.125
  Bottom Layer w0.5: v1(11.95,60.4) 13.4,61.85 v1(28.75,61.85) v1(47.475,61.85) v1(84.375,61.85) ; 69.75,61.875 69.75,64.7 76.525,71.475 v1(79.3,71.475) ; R62.2@80.775,63.776 R63.2@83.8,63.776 84.45,63.776 ; v1@84.375,61.875 84.375,63.701 84.45,63.776 ; R65.2@89.9,63.776 R64.2@86.8,63.776 84.45,63.776
BIAS: J3.13 R12.1 R13.1 R14.1 R47.1 U4.6 | length 90.6
  Top Layer w0.3: J3.13@64.16,80.4 69.41,75.15 73.95,75.15 v1(76.625,72.475) 76.725,72.575 U4.6@77.825,72.575 ; v1(67.75,62.55) 67.775,62.525 v1(67.775,60.3)
  Bottom Layer w0.3: R14.1@19.7,61 38.024,61 R47.1@38.1,60.924 57.324,60.924 R13.1@57.475,61.075 67.775,61.075 ; v1(67.75,62.55) 67.75,64.2 76.025,72.475 v1(76.625,72.475) ; v1(67.775,60.3) 67.775,61.075 ; R12.1@76.2,61.025 76.15,61.075 67.775,61.075
BIASINV: M1.61 M2.61 M3.61 M4.61 | length 93.2
  Top Layer w0.3: M1.61@25.45,56.125 27.55,56.125 v1(27.55,56.15) ; v1(28.05,60.35) 28.05,62.8 v1(28.075,62.825) ; M2.61@43.425,56.125 v1(46.325,56.125) ; v1(46.325,60.225) v1@46.325,62.8 ; M3.61@62.725,56.125 65.525,56.125 v1(65.55,56.1) ; v1(65.55,60.4) v1(65.55,62.825) 66.15,63.425 v1(70.825,63.425) ; M4.61@81.225,56.125 83.675,56.125 v1(83.7,56.1) ; v1(83.675,61.1) v1@83.675,62.575
  Bottom Layer w0.3: v1(27.55,56.15) 28.025,56.625 28.025,60.35 v1(28.05,60.35) ; v1(28.075,62.825) v1(46.325,62.825) v1(65.55,62.825) ; v1(46.325,56.125) v1(46.325,60.225) ; v1(65.55,56.1) v1(65.55,60.4) ; v1(70.825,63.425) 71.425,62.825 v1(83.675,62.825) ; v1(83.675,61.1) 83.7,61.075 v1(83.7,56.1)
BT1: BT1.1 C21.2 C24.1 D6.1 K2.1 | length 18.4
  Top Layer w0.6: K2.1@0.65,24.85 1.126,24.85 C21.2@6.076,29.8 6.076,31.726 BT1.1@7.875,33.525 11.1,33.525 C24.1@11.175,33.45 11.175,30.425 D6.1@11.225,30.375
BT2: BT2.1 C86.1 K2.2 U10.3 | length 56.1
  Top Layer w0.5: K2.2@0.65,22.85 1.75,21.75 1.75,20.025 8.025,13.75 BT2.1@8.025,10.95 17.125,1.85 40.025,1.85 ; C86.1@39.925,2.926 39.925,1.95 40.025,1.85 ; U10.3@44.3,1.85 40.025,1.85
BT_G: BT1.2 K2.3 K2.6 | length 32.9
  Bottom Layer w0.6: K2.3@0.65,20.85 1.85,22.05 1.85,23.65 K2.6@3.05,24.85 11.625,33.425 BT1.2@27.375,33.425
C3: J3.3 R4.1 U5.1 | length 32.2
  Top Layer w0.3: R4.1@14.9,68.912 14.9,70.9 16.8,72.8 ; U5.1@21.5,72.8 16.8,72.8 ; J3.3@36.46,80.4 34.585,78.525 22.525,78.525 16.8,72.8
C4: J3.16 R3.1 U5.3 | length 29.2
  Top Layer w0.3: R3.1@17.8,68.912 17.8,70.4 v1(19.2,71.8) U5.3@21.5,71.8
  Bottom Layer w0.3: v1(19.2,71.8) 25.9,78.5 33.15,78.5 37.845,83.195 J3.16@37.845,83.24
CLK: M1.37 M2.37 M3.37 M4.37 | length 95.3
  Top Layer w0.3: M1.37@17.975,48.15 17.95,48.125 17.95,42.125 20.975,39.1 v1(22.225,39.1) ; M2.37@35.95,48.15 35.95,37.3 v1(36,37.25) ; v1(60,37.225) 60,45.6 v1(59.95,45.65) v1(70.425,45.65) ; v1(73.75,45.7) M4.37@73.75,48.15 ; v1@55.25,45.729 55.253,45.727 55.253,48.147 M3.37@55.25,48.15 v1@55.25,45.729
  Bottom Layer w0.3: v1(22.225,39.1) 34.15,39.1 v1(36,37.25) 59.975,37.25 v1(60,37.225) ; v1@55.253,45.727 55.253,45.697 55.3,45.65 v1(59.95,45.65) ; v1(70.425,45.65) 70.475,45.7 v1(73.75,45.7)
  other v1: 55.253,45.65
CZ: J3.22 R27.1 U9.3 | length 24.9
  Top Layer w0.3: R27.1@64.3,68.724 64.25,68.774 v1(64.25,71.7) 64.35,71.8 U9.3@69.6,71.8
  Bottom Layer w0.3: J3.22@54.465,83.24 54.465,79.96 62.725,71.7 v1(64.25,71.7)
DBG_DC: J5.3 J6.3 | length 15.2
  Bottom Layer w0.3: J6.3@35.75,21.825 37.025,23.1 38.95,23.1 39.71,23.86 J5.3@50.11,23.86
DBG_DD: J5.4 J6.4 | length 15.2
  Bottom Layer w0.3: J6.4@38.29,21.825 39.04,22.575 51.365,22.575 J5.4@52.65,23.86
DGND: BT2.2 C2.2 C3.2 C21.1 C24.2 C25.1 C26.2 C27.1 C28.1 C29.2 C35.2 C36.2 C37.2 C38.2 C69.2 C70.2 C85.2 C86.2 C87.2 C88.1 C89.2 D1.2 D2.1 D4.1 D5.2 D7.2 D8.2 D9.2 D10.2 D11.2 J1.3 J2.5 J2.6 J2.7 J2.8 J2.9 J5.1 J6.1 J8.5 J8.6 J8.7 J8.8 J8.9 K2.5 K2.7 K2.8 K5.2 M1.31 M1.33 M1.49 M1.51 M2.31 M2.33 M2.49 M2.51 M3.31 M3.33 M3.49 M3.51 M4.31 M4.33 M4.41 M4.49 M4.51 R16.2 R17.2 R18.2 R19.2 R20.2 R24.2 R25.2 R28.2 R29.2 R31.2 R32.2 R34.2 R48.2 R49.2 R51.2 R52.2 R59.1 U2.1 U10.2 U11.1 | length 37.9
  Top Layer w0.3: C27.1@2.35,50.05 C27.1@2.45,50.15 3.275,50.15 ; v1(3.3,47.525) 3.275,47.55 3.275,50.15 ; C25.1@4.125,50.176 4.099,50.15 3.275,50.15 ; v1(11.925,50.625) M1.31@14,50.625 ; v1(15.8,46.15) 15.975,46.325 M1.33@15.975,48.15 ; M1.49@25.45,50.125 25.45,49.1 v1(25.475,49.075) ; M1.51@25.45,51.125 28.05,51.125 v1(28.1,51.175) ; v1(31.182,49) 30.55,49.632 v1(30.55,50.225) 30.95,50.625 M2.31@31.975,50.625 ; v1(32.95,46.825) 33.95,47.825 M2.33@33.95,48.15 ; M2.49@43.425,50.125 43.425,49.5 v1(43.45,49.475) ; M2.51@43.425,51.125 v1(44.575,51.125) ; v1(49.625,49.925) 50.325,50.625 M3.31@51.275,50.625 ; v1(53.125,46.775) 53.25,46.9 M3.33@53.25,48.15 ; v1(62.7,49.5) 62.725,49.525 M3.49@62.725,50.125 ; M3.51@62.725,51.125 65.675,51.125 65.7,51.1 v4(65.75,51.15) ; v1(68.075,50.375) 68.325,50.625 M4.31@69.775,50.625 ; v1(71.675,46.625) 71.75,46.7 M4.33@71.75,48.15 ; v1(75.75,45.825) M4.41@75.75,48.15 ; v1(81.225,49.5) M4.49@81.225,50.125 ; M4.51@81.225,51.125 v1(82.875,51.125)
  Bottom Layer w0.3: v1(28.1,51.175) 28.649,51.175 R16.2@29.599,50.225 ; v1(31.182,49) 31.182,46.968 v1(31.2,46.95)
  other v1: 59.15,1.425 66.631,1.475 62.475,9.4 58.825,9.6 0.8,11.9 60.65,16.425 56.425,16.775 0.7,30.575 15.075,31.125 3.35,32.075 0.675,32.275 31.1,33.525 34.075,33.575 36.775,33.575 3.3,34.075 16.05,34.425 0.75,34.55 23.925,34.675 10.225,36.475 3.4,36.65 0.75,36.75 25.15,37.6 19.4,37.75 30.725,37.775 6.375,38.875 0.8,38.925 3.4,38.925 16.425,39 13.65,40.7 71.2,41.825 59.175,41.875 66.35,41.975 4.35,42.125 0.975,42.275 11.45,42.3 76.1,42.575 79.375,42.675 14.35,43.15 85.15,43.175 63.65,43.55 92.3,44.225 90.2,44.4 11.675,44.675 9,45.05 1.05,45.9 4.2,45.975 14.4,45.975 69.4,46.65 11.65,47 8.525,47.75 0.525,47.925 90.2,48.625 92.3,49.25 23.725,51.225